# KiCad board VLT.kicad_pcb (continued)
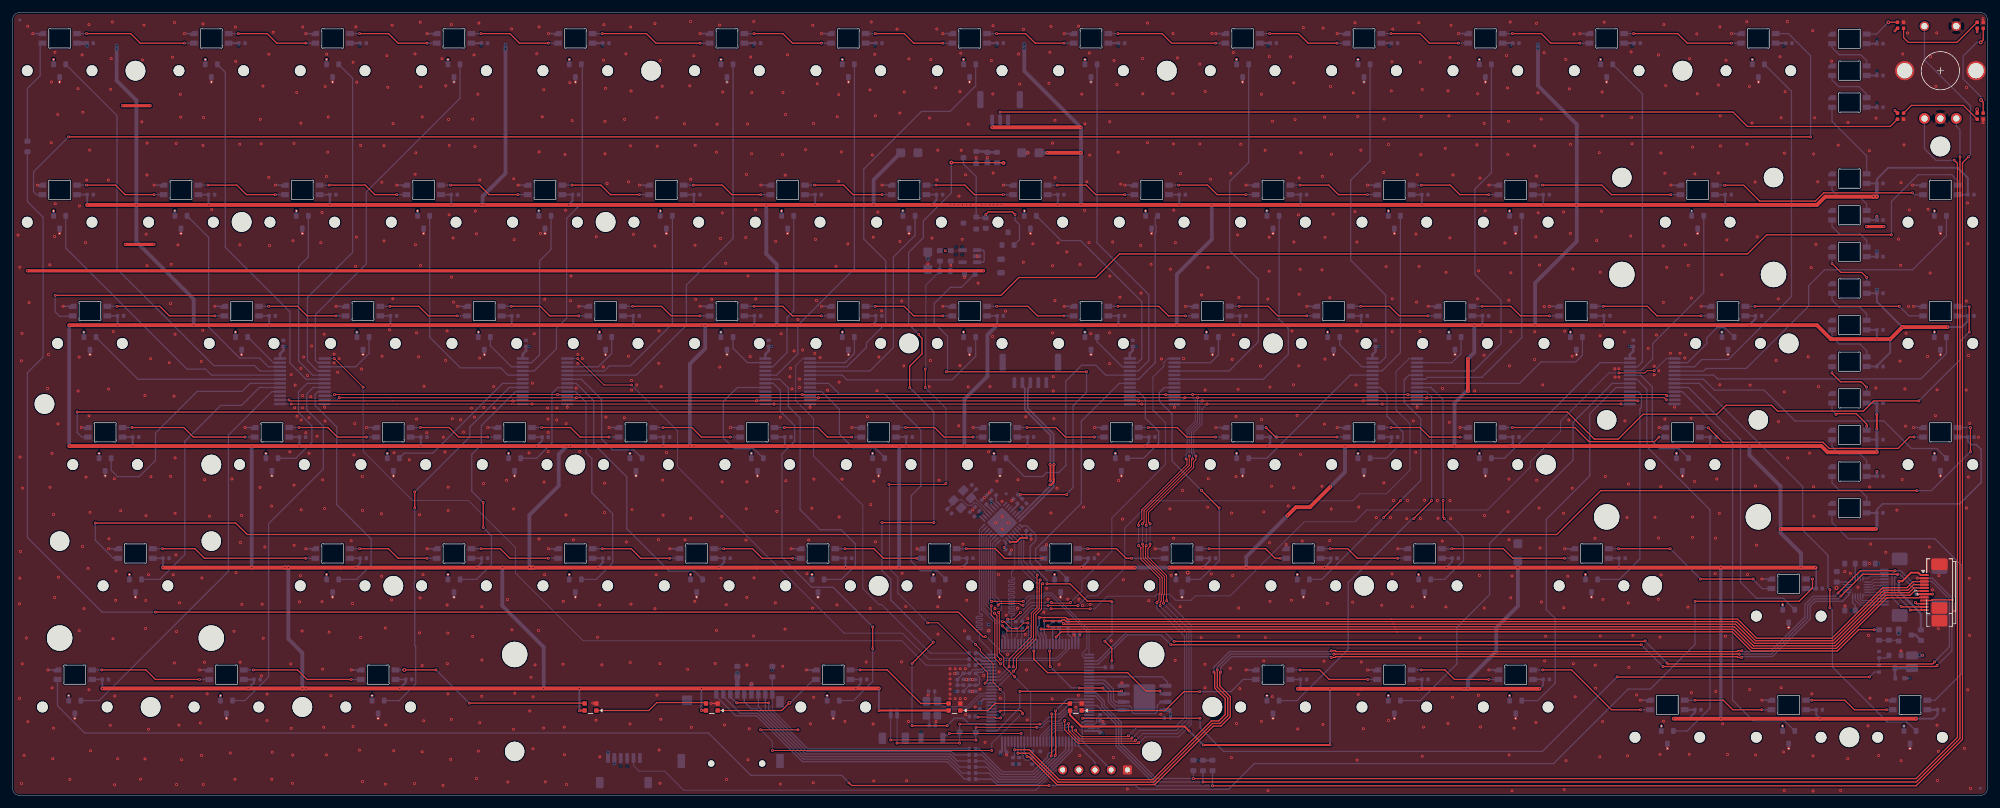
[diagram p0: board, top side]
## Routing (per net, layer and track width the routed paths; a pad name or vN(x,y) marks a point on that pad's centre or on a via; arc(x,y) is an arc through that point) (continued)
/ULPI_D0: length 28.2
  Bottom w0.15: U5.24 151.76,41.75 151.76,28.62 arc(151.8,28.52) 151.9,28.48 152.12,28.48 arc(152.22,28.44) 152.26,28.34 152.26,28.27 arc(152.22,28.17) 152.12,28.13 151.4,28.13 arc(151.3,28.09) 151.26,27.99 151.26,27.92 arc(151.3,27.82) 151.4,27.78 152.12,27.78 arc(152.22,27.74) 152.26,27.64 152.26,27.57 arc(152.22,27.47) 152.12,27.43 151.4,27.43 arc(151.3,27.39) 151.26,27.29 151.26,27.22 arc(151.3,27.12) 151.4,27.08 152.12,27.08 arc(152.22,27.04) 152.26,26.94 152.26,26.87 arc(152.22,26.77) 152.12,26.73 151.4,26.73 arc(151.3,26.69) 151.26,26.59 151.26,26.52 arc(151.3,26.42) 151.4,26.38 152.12,26.38 arc(152.22,26.34) 152.26,26.24 152.26,26.17 arc(152.22,26.07) 152.12,26.03 151.4,26.03 arc(151.3,25.99) 151.26,25.89 151.26,25.82 arc(151.3,25.72) 151.4,25.68 151.62,25.68 arc(151.72,25.64) 151.76,25.54 151.76,24.49 153.64,22.61 U3.25
/ULPI_D1: length 24.7
  Top w0.15: v1(155.39,26.64) 156.21,25.81 158.74,25.81 v1(159.36,26.44)
  Bottom w0.15: U5.23 152.11,41.39 152.11,29.24 154.29,27.06 154.91,27.06 155.18,26.79 155.24,26.79 v1(155.39,26.64) ; U3.34 159.39,23.86 159.39,24.66 159.51,24.78 159.51,26.29 v1(159.36,26.44)
/ULPI_D2: length 24.6
  Top w0.15: v1(155.39,27.29) 155.7,27.29 156.78,26.21 157.81,26.21 158.69,27.09 v1(159.36,27.09)
  Bottom w0.15: U3.35 159.86,23.84 159.86,26.65 159.42,27.09 v1(159.36,27.09) ; v1(155.39,27.29) 155.27,27.41 154.44,27.41 152.46,29.38 152.46,41.04 U5.22
/ULPI_D3: length 32.9
  Top w0.15: v1(155.08,21.35) 154.54,21.89 154.54,28.23 v1(154.13,28.64)
  Bottom w0.15: U5.21 152.82,40.68 152.82,29.88 154.06,28.64 v1(154.13,28.64) ; v1(155.08,21.35) 155.27,21.54 163.86,21.54 165.31,22.99 U3.46
/ULPI_D4: length 33.9
  Top w0.15: v1(153.63,29.78) 153.61,29.76 153.61,28.31 154.19,27.74 154.19,21.54 155.08,20.65 v1(155.09,20.65)
  Bottom w0.15: v1(155.09,20.65) 155.63,21.19 164.01,21.19 165.81,22.99 U3.47 ; U5.20 153.17,40.33 153.17,30.24 v1(153.63,29.78)
/ULPI_D5: length 32.5
  Top w0.15: v1(153.67,30.48) 153.68,30.49 v1(158.66,30.49)
  Bottom w0.15: 168.99,22.11 168.99,25.96 163.16,31.79 161.96,31.79 161.51,31.34 159.51,31.34 v1(158.66,30.49) ; U5.19 153.52,39.97 153.52,30.63 v1(153.67,30.48)
/ULPI_D6: length 33.5
  Top w0.15: v1(158.62,29.84) 158.35,29.84 158.05,30.14 154.96,30.14 v1(154.71,29.89)
  Bottom w0.15: v1(158.62,29.84) 158.74,29.96 158.85,29.96 159.87,30.99 161.66,30.99 162.11,31.44 163.01,31.44 168.64,25.81 168.64,23.06 167.91,22.33 167.91,21.89 168.19,21.61 168.99,21.61 ; v1(154.71,29.89) 154.71,30.14 153.87,30.98 153.87,39.61 U5.18
/ULPI_D7: length 34.4
  Top w0.15: v1(157.31,18.61) 155.59,20.34 155.59,21.69 154.89,22.39 154.89,28.63 v1(154.77,28.75)
  Bottom w0.15: U3.91 159.81,16.11 v1(157.31,18.61) ; U5.17 154.22,39.26 154.22,31.38 155.21,30.39 155.21,29.19 v1(154.77,28.75)
/ULPI_DIR: length 29.1
  Top w0.15: v1(157.09,20.19) 157.09,21.5 160.25,24.66 160.25,28.48 161.16,29.39 161.16,32.11 161.16,32.11 161.16,32.53 161.16,32.53 161.16,33.49 161.26,33.59 161.26,33.8 v1(161.31,33.85)
  Bottom w0.15: v1(161.31,33.85) 160.9,33.85 158.32,36.43 158.32,40.2 U5.12 ; v1(157.09,20.19) 157.09,20.17 155.04,18.11 U3.17
/ULPI_NXT: length 28.2
  Top w0.15: v1(156.43,20.21) 156.43,21.42 159.9,24.9 159.9,28.62 160.81,29.53 160.81,31.96 160.81,32.67 160.81,32.67 160.81,33.48 160.81,33.48 160.81,34.59 v1(160.84,34.62) 160.84,34.65 160.81,34.69
  Bottom w0.15: v1(156.43,20.21) 156.43,20.17 154.86,18.61 U3.18 ; v1(160.84,34.62) 160.84,34.66 158.71,36.79 158.71,40.51 U5.11
/ULPI_RST: length 34.7
  Top w0.2: v1(172.59,30.39) 172.45,30.52 168.7,30.52 165.99,33.23 v1(162.36,33.23) ; v1(171.46,24.21) 172.56,23.11 v1(172.56,21.14)
  Bottom w0.2: R3.1 172.56,20.12 v1(172.56,21.14) ; v1(172.59,30.39) 172.59,25.34 v1(171.46,24.21) ; U5.9 159.21,42.35 160.64,40.93 160.64,40.04 159.74,39.14 159.74,36.46 162.36,33.84 v1(162.36,33.23)
/ULPI_STP: length 30.4
  Top w0.15: v1(161.71,33.26) 161.51,33.06 161.51,29.24 160.64,28.37 160.64,24.52 157.59,21.48 157.59,19.96 v1(157.13,19.5)
  Bottom w0.15: U3.15 154.74,17.11 157.13,19.5 v1(157.13,19.5) ; U5.13 157.97,39.84 157.97,35.99 160.7,33.26 v1(161.71,33.26)
/WS2812_DIN: length 226.5
  Top w0.2: v1(152.71,24.94) 152.31,24.94 148.46,28.79 v1(22.4,28.79)
  Bottom w0.15: U3.31 157.81,22.99 157.49,22.66 155.14,22.66 153.58,24.23 153.57,24.23 152.86,24.94 v1(152.71,24.94)
  Bottom w0.2: v1(22.4,28.79) 14.03,28.79 2.3,40.52 2.3,66.41 4.76,68.87 4.76,90.86 2.3,93.32 R15.1
/WS2812_DOUT: length 143.6
  Top w0.2: RING4.1 294.77,105.13 272.34,105.13 270.08,107.39 v1(155.01,107.39)
  Bottom w0.2: v1(155.01,107.39) J4.2
/XI: length 5.8
  Bottom w0.15: U5.28 153.39,44.38 150.96,46.81 150.39,46.81
  Bottom w0.2: C4.2 150.44,47.29 Y1.3
/XO: length 8.5
  Bottom w0.15: 147.73,46.36 147.81,46.44 148.99,46.44 149.84,45.59 150.57,45.59 150.94,45.95 151.27,45.95 152.6,44.63 152.6,44.5 U5.27
  Bottom w0.2: Y1.1 147.68,45.94 C5.2
AMBIENT: length 48.7
  Bottom w0.2: AMB1.3 285.62,42.88 288.19,40.31 301.79,40.31 305.89,36.21 305.89,19.04 301.79,14.94 LED81.2
ENC_A: length 246.9
  Top w0.2: v1(186.86,2.09) 298.86,2.09 305.71,8.94 v1(305.71,100.37)
  Bottom w0.2: 168.99,15.61 169.97,15.61 170.96,14.62 170.96,13.96 173.64,11.29 173.64,7.95 179.5,2.09 v1(186.86,2.09) 186.86,3.76 ; v1(305.71,100.37) 305.71,104.59 305.14,105.16 ENC1.B
ENC_B: length 249.3
  Top w0.2: v1(304.8,99.82) 305.31,99.31 305.31,9.1 298.83,2.63 v1(185.36,2.63)
  Bottom w0.2: U3.63 170.04,16.11 171.36,14.79 171.36,14.13 174.04,11.45 174.04,8.11 179.51,2.64 185.35,2.64 v1(185.36,2.63) 185.36,3.81 ; v1(304.8,99.82) 304.76,99.79 301.96,99.79 300.14,101.61 ENC1.A
ENC_SW: length 265.3
  Top w0.2: v1(188.36,1.49) 298.83,1.49 306.11,8.77 306.11,99.41 v1(307.06,100.36)
  Bottom w0.2: v1(307.06,100.36) 307.36,100.66 307.36,108.36 300.14,115.59 ENC1.S2 ; 168.99,14.11 170.25,14.11 173.24,11.12 173.24,7.78 179.53,1.49 v1(188.36,1.49) R28.2
RING: length 5.6
  Top w0.2: v2(294.46,121.49) 294.48,121.51 RING1.3
  Bottom w0.2: v2(294.46,121.49) 292.61,119.64 GLO3.2
STATUS: length 12.7
  Bottom w0.2: GLO1.3 285.62,105.93 291.08,100.47 AMB10.2
VREF+: length 7.6
  Bottom w0.2: FB2.2 149.26,16.34 150.21,17.29 C34.2 C35.2 151.55,17.3 151.77,17.52 151.77,18.56 151.18,19.15 151.16,19.15 151.35,19.34 152.28,19.34 152.55,19.61 U3.20
Net-(AMB1-DOUT): length 8.4
  Bottom w0.2: 291.07,45.88 291.07,46.89 290.01,47.95 286.76,47.95 285.63,49.09 285.63,50.14
Net-(AMB2-DOUT): length 8.4
  Bottom w0.2: 291.07,51.59 291.07,52.6 290.01,53.66 286.76,53.66 285.63,54.8 285.63,55.84
Net-(AMB3-DOUT): length 8.6
  Top w0.2: v1(286.24,59.86) 286.3,59.86 286.42,59.99 289.42,59.99 291.07,58.33 v1(291.07,57.99)
  Bottom w0.2: 285.63,61.58 285.63,60.53 286.24,59.92 v1(286.24,59.86) ; v1(291.07,57.99) 291.07,57.33
Net-(AMB4-DOUT): length 8.4
  Top w0.2: v1(291.04,64.16) 290.21,64.99 286.96,64.99 285.63,66.32 v1(285.63,66.39)
  Bottom w0.2: v1(291.04,64.16) 291.07,64.13 291.07,63.12 ; 285.63,67.37 v1(285.63,66.39)
Net-(AMB5-DOUT): length 8.4
  Bottom w0.2: 291.07,68.85 291.07,69.86 290.01,70.93 286.76,70.93 285.63,72.06 285.63,73.11
Net-(AMB6-DOUT): length 8.4
  Bottom w0.2: 285.63,78.9 285.63,77.85 286.76,76.71 290.01,76.71 291.07,75.65 291.07,74.64
Net-(AMB7-DOUT): length 8.4
  Top w0.2: v1(285.64,83.57) 287.03,82.19 290.28,82.19 v1(291.07,81.39)
  Bottom w0.2: v1(285.64,83.57) 285.63,83.59 285.63,84.63 ; v1(291.07,81.39) 291.07,80.38
Net-(AMB8-DOUT): length 8.4
  Bottom w0.2: 291.07,86.18 291.07,87.19 290.01,88.25 286.76,88.25 285.63,89.39 285.63,90.43
Net-(AMB10-DIN): length 8.4
  Bottom w0.2: AMB10.3 285.63,95.12 286.76,93.99 290.01,93.99 291.07,92.93 AMB9.2
Net-(C25-Pad1): length 2.8
  Bottom w0.2: U3.48 166.31,24.66 165.66,25.31 C25.1
Net-(C26-Pad1): length 2.7
  Bottom w0.15: C26.1 170.15,12.08 170.15,11.48 169.79,11.11 168.99,11.11
Net-(GLO1-DOUT): length 7.6
  Bottom w0.2: GLO1.2 291.07,110.18 289.86,111.39 286.66,111.39 285.62,112.43 GLO2.3
Net-(GLO2-DOUT): length 7.7
  Bottom w0.2: GLO3.3 285.62,117.53 286.76,116.39 290.16,116.39 291.07,115.48 GLO2.2
Net-(LED1-DOUT): length 19
  Top w0.2: v1(26.95,118.22) 20.02,118.22 18.52,119.72 v1(11.59,119.72)
  Bottom w0.2: LED1.2 v1(11.59,119.72) ; v1(26.95,118.22) LED2.3
Net-(LED2-DOUT): length 14.2
  Top w0.2: v1(35.4,119.72) 39.95,119.72 41.45,118.22 v1(46,118.22)
  Bottom w0.2: v1(46,118.22) LED3.3 ; LED2.2 v1(35.4,119.72)
Net-(LED3-DOUT): length 14.2
  Top w0.2: v1(54.45,119.72) 59,119.72 60.5,118.22 v1(65.05,118.22)
  Bottom w0.2: v1(65.05,118.22) LED4.3 ; LED3.2 v1(54.45,119.72)
Net-(LED4-DOUT): length 14.2
  Top w0.2: v1(73.5,119.72) 78.05,119.72 79.55,118.22 v1(84.1,118.22)
  Bottom w0.2: LED4.2 v1(73.5,119.72) ; v1(84.1,118.22) LED5.3
Net-(LED5-DOUT): length 19
  Top w0.2: v1(92.55,119.72) 99.48,119.72 100.98,118.22 v1(107.91,118.22)
  Bottom w0.2: LED5.2 v1(92.55,119.72) ; v1(107.91,118.22) LED6.3
Net-(LED6-DOUT): length 14.2
  Top w0.2: v1(116.36,119.72) 120.91,119.72 122.41,118.22 v1(126.96,118.22)
  Bottom w0.2: LED6.2 v1(116.36,119.72) ; v1(126.96,118.22) LED7.3
Net-(LED7-DOUT): length 14.2
  Top w0.2: v1(135.41,119.72) 139.96,119.72 141.46,118.22 v1(146.01,118.22)
  Bottom w0.2: LED7.2 v1(135.41,119.72) ; v1(146.01,118.22) LED8.3
Net-(LED8-DOUT): length 14.2
  Top w0.2: v1(165.06,118.22) 160.51,118.22 159.01,119.72 v1(154.46,119.72)
  Bottom w0.2: v1(165.06,118.22) LED9.3 ; LED8.2 v1(154.46,119.72)
Net-(LED10-DIN): length 19
  Top w0.2: v1(173.51,119.72) 180.44,119.72 181.94,118.22 v1(188.88,118.22)
  Bottom w0.2: v1(188.88,118.22) LED10.3 ; LED9.2 v1(173.51,119.72)
Net-(LED10-DOUT): length 14.2
  Top w0.2: v1(197.33,119.72) 201.88,119.72 203.38,118.22 v1(207.93,118.22)
  Bottom w0.2: LED10.2 v1(197.33,119.72) ; v1(207.93,118.22) LED11.3
Net-(LED11-DOUT): length 14.2
  Top w0.2: v1(216.38,119.72) 220.93,119.72 222.43,118.22 v1(226.98,118.22)
  Bottom w0.2: v1(226.98,118.22) LED12.3 ; LED11.2 v1(216.38,119.72)
Net-(LED12-DOUT): length 14.2
  Top w0.2: v1(235.43,119.72) 239.98,119.72 241.48,118.22 v1(246.03,118.22)
  Bottom w0.2: v1(246.03,118.22) LED13.3 ; LED12.2 v1(235.43,119.72)
Net-(LED13-DOUT): length 19
  Top w0.2: v1(269.84,118.22) 262.91,118.22 261.41,119.72 v1(254.48,119.72)
  Bottom w0.2: LED13.2 v1(254.48,119.72) ; v1(269.84,118.22) LED14.3
Net-(LED14-DOUT): length 305.6
  Top w0.2: v1(8.76,103.49) v1(282.26,103.49)
  Bottom w0.2: 4.62,94.39 3.76,94.39 3.26,94.89 3.26,97.99 v1(8.76,103.49) ; v1(282.26,103.49) 282.26,116.23 278.78,119.72 276.79,119.72
Net-(LED15-DOUT): length 14.2
  Top w0.2: v1(22.19,94.4) 17.64,94.4 16.14,95.9 v1(11.59,95.9)
  Bottom w0.2: v1(22.19,94.4) LED16.3 ; LED15.2 v1(11.59,95.9)
Net-(LED16-DOUT): length 14.2
  Top w0.2: v1(30.64,95.9) 35.19,95.9 36.69,94.4 v1(41.24,94.4)
  Bottom w0.2: LED16.2 v1(30.64,95.9) ; v1(41.24,94.4) LED17.3
Net-(LED17-DOUT): length 14.2
  Top w0.2: v1(60.29,94.4) 56.85,94.4 55.35,95.9 v1(49.69,95.9)
  Bottom w0.2: v1(60.29,94.4) LED18.3 ; LED17.2 v1(49.69,95.9)
Net-(LED18-DOUT): length 14.2
  Top w0.2: v1(68.74,95.9) 73.29,95.9 74.79,94.4 v1(79.34,94.4)
  Bottom w0.2: v1(79.34,94.4) LED19.3 ; LED18.2 v1(68.74,95.9)
Net-(LED19-DOUT): length 14.2
  Top w0.2: v1(87.79,95.9) 92.34,95.9 93.84,94.4 v1(98.39,94.4)
  Bottom w0.2: LED19.2 v1(87.79,95.9) ; v1(98.39,94.4) LED20.3
Net-(LED20-DOUT): length 14.2
  Top w0.2: v1(106.84,95.9) 111.39,95.9 112.89,94.4 v1(117.44,94.4)
  Bottom w0.2: LED20.2 v1(106.84,95.9) ; v1(117.44,94.4) LED21.3
Net-(LED21-DOUT): length 14.2
  Top w0.2: v1(125.89,95.9) 130.44,95.9 131.94,94.4 v1(136.49,94.4)
  Bottom w0.2: LED21.2 v1(125.89,95.9) ; v1(136.49,94.4) LED22.3
Net-(LED22-DOUT): length 14.2
  Top w0.2: v1(155.54,94.4) 150.99,94.4 149.49,95.9 v1(144.94,95.9)
  Bottom w0.2: v1(155.54,94.4) LED23.3 ; 143.44,95.9 v1(144.94,95.9)
Net-(LED23-DOUT): length 14.2
  Top w0.2: v1(174.59,94.4) 170.04,94.4 168.54,95.9 v1(163.99,95.9)
  Bottom w0.2: LED23.2 v1(163.99,95.9) ; v1(174.59,94.4) 176.09,94.4
Net-(LED24-DOUT): length 14.2
  Top w0.2: v1(183.04,95.9) 187.59,95.9 189.09,94.4 v1(193.64,94.4)
  Bottom w0.2: v1(193.64,94.4) LED25.3 ; LED24.2 v1(183.04,95.9)
Net-(LED25-DOUT): length 14.2
  Top w0.2: v1(202.09,95.9) 206.64,95.9 208.14,94.4 v1(212.69,94.4)
  Bottom w0.2: LED25.2 v1(202.09,95.9) ; v1(212.69,94.4) LED26.3
Net-(LED26-DOUT): length 14.2
  Top w0.2: v1(231.74,94.4) 227.19,94.4 225.69,95.9 v1(221.14,95.9)
  Bottom w0.2: LED26.2 v1(221.14,95.9) ; v1(231.74,94.4) 233.24,94.4
Net-(LED27-DOUT): length 23.7
  Top w0.2: v1(260.31,94.4) 251,94.4 249.5,95.9 v1(240.19,95.9)
  Bottom w0.2: v1(260.31,94.4) LED28.3 ; LED27.2 v1(240.19,95.9)
Net-(LED28-DOUT): length 34.3
  Top w0.2: v1(298.26,94.69) 284.31,94.69 283.01,93.39 274.26,93.39 271.76,95.89 v1(268.76,95.89)
  Bottom w0.2: 299.9,94.39 298.56,94.39 v1(298.26,94.69) ; LED28.2 268.75,95.9 v1(268.76,95.89)
Net-(LED29-DOUT): length 316.3
  Top w0.2: v1(6.66,78.59) 155.16,78.59 157.96,81.39 170.06,81.39 173.76,85.09 272.36,85.09 275.36,88.09 v1(294.96,88.09)
  Bottom w0.2: 9.33,75.29 7.36,75.29 6.66,75.99 v1(6.66,78.59) ; v1(294.96,88.09) 294.96,93.35 299.15,97.54 304.41,97.54 305.36,96.59 LED29.2
Net-(LED30-DOUT): length 19
  Top w0.2: v1(31.71,75.35) 24.6,75.35 23.1,76.85 v1(16.35,76.85)
  Bottom w0.2: v1(31.71,75.35) LED31.3 ; LED30.2 v1(16.35,76.85)
Net-(LED31-DOUT): length 14.2
  Top w0.2: v1(40.16,76.85) 44.71,76.85 46.21,75.35 v1(50.76,75.35)
  Bottom w0.2: v1(50.76,75.35) LED32.3 ; LED31.2 v1(40.16,76.85)
Net-(LED32-DOUT): length 14.2
  Top w0.2: v1(59.21,76.85) 63.76,76.85 65.26,75.35 v1(69.81,75.35)
  Bottom w0.2: v1(69.81,75.35) LED33.3 ; LED32.2 v1(59.21,76.85)
Net-(LED33-DOUT): length 14.2
  Top w0.2: v1(78.26,76.85) 82.81,76.85 84.31,75.35 v1(88.86,75.35)
  Bottom w0.2: LED33.2 v1(78.26,76.85) ; v1(88.86,75.35) LED34.3
Net-(LED34-DOUT): length 14.2
  Top w0.2: v1(97.31,76.85) 101.86,76.85 103.36,75.35 v1(107.91,75.35)
  Bottom w0.2: v1(107.91,75.35) LED35.3 ; LED34.2 v1(97.31,76.85)
Net-(LED35-DOUT): length 14.2
  Top w0.2: v1(126.96,75.35) 122.41,75.35 120.91,76.85 v1(116.36,76.85)
  Bottom w0.2: v1(126.96,75.35) LED36.3 ; LED35.2 v1(116.36,76.85)
Net-(LED36-DOUT): length 14.2
  Top w0.2: v1(135.41,76.85) 139.96,76.85 141.46,75.35 v1(146.01,75.35)
  Bottom w0.2: v1(146.01,75.35) LED37.3 ; LED36.2 v1(135.41,76.85)
Net-(LED37-DOUT): length 14.2
  Top w0.2: v1(154.46,76.85) 159.4,76.85 160.9,75.35 v1(165.06,75.35)
  Bottom w0.2: LED37.2 v1(154.46,76.85) ; v1(165.06,75.35) LED38.3
Net-(LED38-DOUT): length 14.2
  Top w0.2: v1(184.11,75.35) 181.45,75.35 179.95,76.85 v1(173.51,76.85)
  Bottom w0.2: LED38.2 v1(173.51,76.85) ; v1(184.11,75.35) LED39.3
Net-(LED39-DOUT): length 14.2
  Top w0.2: v1(203.16,75.35) 198.61,75.35 197.11,76.85 v1(192.56,76.85)
  Bottom w0.2: v1(203.16,75.35) LED40.3 ; LED39.2 v1(192.56,76.85)
Net-(LED40-DOUT): length 14.2
  Top w0.2: v1(222.21,75.35) 217.66,75.35 216.16,76.85 v1(211.61,76.85)
  Bottom w0.2: LED40.2 v1(211.61,76.85) ; v1(222.21,75.35) LED41.3
Net-(LED41-DOUT): length 14.2
  Top w0.2: v1(241.26,75.35) 236.71,75.35 235.21,76.85 v1(230.66,76.85)
  Bottom w0.2: LED41.2 v1(230.66,76.85) ; v1(241.26,75.35) LED42.3
Net-(LED42-DOUT): length 19
  Top w0.2: v1(249.71,76.85) 256.64,76.85 258.14,75.35 v1(265.08,75.35)
  Bottom w0.2: LED42.2 v1(249.71,76.85) ; v1(265.08,75.35) LED43.3
Net-(LED43-DOUT): length 28.5
  Top w0.2: v1(296.2,76.85) v1(273.53,76.85)
  Bottom w0.2: v1(296.2,76.85) 297.7,75.35 LED44.3 ; LED43.2 v1(273.53,76.85)
Net-(LED44-DOUT): length 319.2
  Top w0.2: v1(299.26,61.99) 292.16,61.99 290.56,60.39 277.06,60.39 276.15,61.3 268.97,61.3 267.56,59.89 255.96,59.89 252.06,55.99 248.31,55.99 244.06,60.24 v1(10.11,60.24) ; v1(307.16,76.79) v1(307.16,72.79)
  Bottom w0.2: v1(307.16,76.79) 307.1,76.85 LED44.2 ; LED45.3 10.85,56.3 10.11,57.04 v1(10.11,60.24) ; v1(299.26,61.99) 305.76,68.49 305.76,71.39 v1(307.16,72.79)
Net-(LED45-DOUT): length 21.4
  Top w0.2: v1(36.48,56.3) 28.35,56.3 26.85,57.8 v1(18.73,57.8)
  Bottom w0.2: v1(36.48,56.3) LED46.3 ; LED45.2 v1(18.73,57.8)
Net-(LED46-DOUT): length 14.2
  Top w0.2: v1(44.93,57.8) 49.48,57.8 50.98,56.3 v1(55.53,56.3)
  Bottom w0.2: v1(55.53,56.3) LED47.3 ; LED46.2 v1(44.93,57.8)
Net-(LED47-DOUT): length 14.2
  Top w0.2: v1(63.98,57.8) 68.53,57.8 70.03,56.3 v1(74.58,56.3)
  Bottom w0.2: v1(74.58,56.3) LED48.3 ; LED47.2 v1(63.98,57.8)
Net-(LED48-DOUT): length 14.2
  Top w0.2: v1(93.63,56.3) 89.08,56.3 87.58,57.8 v1(83.03,57.8)
  Bottom w0.2: LED48.2 v1(83.03,57.8) ; v1(93.63,56.3) LED49.3
Net-(LED49-DOUT): length 14.2
  Top w0.2: v1(112.68,56.3) 108.13,56.3 106.63,57.8 v1(102.08,57.8)
  Bottom w0.2: v1(112.68,56.3) LED50.3 ; LED49.2 v1(102.08,57.8)
Net-(LED50-DOUT): length 14.2
  Top w0.2: v1(121.13,57.8) 126.4,57.8 127.9,56.3 v1(131.73,56.3)
  Bottom w0.2: LED50.2 v1(121.13,57.8) ; v1(131.73,56.3) LED51.3
Net-(LED51-DOUT): length 14.2
  Top w0.2: v1(150.78,56.3) 146.23,56.3 144.73,57.8 v1(140.18,57.8)
  Bottom w0.2: LED51.2 v1(140.18,57.8) ; v1(150.78,56.3) LED52.3
Net-(LED52-DOUT): length 14.2
  Top w0.2: v1(169.83,56.3) 165.28,56.3 163.78,57.8 v1(159.23,57.8)
  Bottom w0.2: v1(169.83,56.3) LED53.3 ; LED52.2 v1(159.23,57.8)
Net-(LED53-DOUT): length 14.2
  Top w0.2: v1(188.86,56.3) 184.33,56.3 182.83,57.8 v1(178.26,57.8)
  Bottom w0.2: v1(188.86,56.3) LED54.3 ; LED53.2 v1(178.26,57.8)
Net-(LED54-DOUT): length 14.2
  Top w0.2: v1(207.93,56.3) 198.26,56.3 v1(196.76,57.8)
  Bottom w0.2: v1(196.76,57.8) LED54.2 ; v1(207.93,56.3) LED55.3
Net-(LED55-DOUT): length 14.2
  Top w0.2: v1(216.38,57.8) 220.93,57.8 222.43,56.3 v1(227.26,56.3)
  Bottom w0.2: v1(227.26,56.3) LED56.3 ; LED55.2 v1(216.38,57.8)
Net-(LED56-DOUT): length 26.7
  Top w0.2: v1(258.46,56.3) 257.75,55.59 247.46,55.59 245.25,57.8 v1(235.43,57.8)
  Bottom w0.2: LED56.2 v1(235.43,57.8) ; v1(258.46,56.3) LED57.3
Net-(LED57-DOUT): length 37.1
  Top w0.2: v1(298.52,56.31) 297.79,56.31 296,54.52 287.21,54.52 287.21,54.52 285.18,54.52 284.21,55.49 268.48,55.49 v1(266.2,57.77)
  Bottom w0.2: LED57.2 266.17,57.8 v1(266.2,57.77) ; v1(298.52,56.31) 299.91,56.31
Net-(LED58-DOUT): length 313.8
  Top w0.2: v1(12.96,42.79) 35.01,42.79 36.81,40.99 242.41,40.99 249.31,47.89 v1(298.96,47.89) ; v1(307.36,53.99) 307.36,57.79 v1(307.36,57.79)
  Bottom w0.2: LED59.3 15.8,37.25 12.96,40.09 v1(12.96,42.79) ; v1(307.36,57.79) 307.26,57.79 307.25,57.8 LED58.2 ; v1(298.96,47.89) 301.23,47.89 307.33,53.99 v1(307.36,53.99)
Net-(LED59-DOUT): length 26.1
  Top w0.2: v1(46,37.25) 30.1,37.25 28.6,38.75 v1(23.49,38.75)
  Bottom w0.2: v1(46,37.25) LED60.3 ; LED59.2 v1(23.49,38.75)
Net-(LED60-DOUT): length 14.2
  Top w0.2: v1(65.05,37.25) 60.5,37.25 59,38.75 v1(54.45,38.75)
  Bottom w0.2: LED60.2 v1(54.45,38.75) ; v1(65.05,37.25) LED61.3
Net-(LED61-DOUT): length 14.2
  Top w0.2: v1(73.5,38.75) 76.55,38.75 78.05,37.25 v1(84.1,37.25)
  Bottom w0.2: LED61.2 v1(73.5,38.75) ; v1(84.1,37.25) LED62.3
Net-(LED62-DOUT): length 14.2
  Top w0.2: v1(103.15,37.25) 98.6,37.25 97.1,38.75 v1(92.55,38.75)
  Bottom w0.2: LED62.2 v1(92.55,38.75) ; v1(103.15,37.25) LED63.3
Net-(LED63-DOUT): length 14.2
  Top w0.2: v1(111.6,38.75) 116.15,38.75 117.65,37.25 v1(122.46,37.25)
  Bottom w0.2: LED63.2 v1(111.6,38.75) ; v1(122.46,37.25) LED64.3
Net-(LED64-DOUT): length 14.2
  Top w0.2: v1(130.65,38.75) 135.2,38.75 136.7,37.25 v1(141.96,37.25)
  Bottom w0.2: LED64.2 v1(130.65,38.75) ; v1(141.96,37.25) LED65.3
Net-(LED65-DOUT): length 14.2
  Top w0.2: v1(161.8,37.25) 155.75,37.25 154.25,38.75 v1(149.7,38.75)
  Bottom w0.2: LED65.2 v1(149.7,38.75)
Net-(LED66-DOUT): length 14.2
  Top w0.2: v1(168.76,38.75) 173.3,38.75 174.8,37.25 v1(175.66,37.25)
  Bottom w0.2: LED66.2 v1(168.76,38.75) ; v1(175.66,37.25) LED67.3
Net-(LED67-DOUT): length 14.2
  Top w0.2: v1(187.8,38.75) 196.7,38.75 198.2,37.25 v1(199.01,37.25)
  Bottom w0.2: LED67.2 v1(187.8,38.75) ; v1(199.01,37.25) LED68.3
Net-(LED68-DOUT): length 14.2
  Top w0.2: v1(206.85,38.75) 209.6,38.75 211.1,37.25 v1(217.45,37.25)
  Bottom w0.2: v1(217.45,37.25) LED69.3 ; LED68.2 v1(206.85,38.75)
Net-(LED69-DOUT): length 21.4
  Top w0.2: v1(225.9,38.75) 234.02,38.75 235.52,37.25 v1(243.64,37.25)
  Bottom w0.2: v1(243.64,37.25) LED70.3 ; LED69.2 v1(225.9,38.75)
Net-(LED70-DOUT): length 28.2
  Top w0.2: v1(273.26,33.99) v1(264.96,33.99) ; v1(252.09,38.75) v1(260.22,38.75)
  Bottom w0.2: v1(260.22,38.75) 264.96,34.01 v1(264.96,33.99) ; v1(273.26,33.99) 273.26,33.89 274.66,32.49 LED71.3 ; LED70.2 v1(252.09,38.75)
Net-(LED71-DOUT): length 304.6
  Top w0.2: v1(282.56,33.99) 282.56,32.59 280.46,30.49 v1(264.11,30.49) ; v1(162.71,1.54) 131.71,1.54 v1(131.29,1.96)
  Bottom w0.2: v1(131.29,1.96) 130.11,3.14 115.89,3.14 109.24,9.79 11.31,9.79 7.02,14.08 LED72.3 ; v1(282.56,33.99) 282.56,33.99 LED71.2 ; v1(264.11,30.49) 264.11,23.69 257.11,16.69 253.61,16.69 241.91,4.99 194.94,4.99 190.89,0.94 176.91,0.94 176.31,1.54 v1(162.71,1.54)
Net-(LED72-DOUT): length 19
  Top w0.2: v1(29.33,18.2) 22.4,18.2 20.9,19.7 v1(13.97,19.7)
  Bottom w0.2: LED72.2 v1(13.97,19.7) ; v1(29.33,18.2) LED73.3
Net-(LED73-DOUT): length 19
  Top w0.2: v1(53.14,18.2) 46.21,18.2 44.71,19.7 v1(37.78,19.7)
  Bottom w0.2: v1(53.14,18.2) LED74.3 ; LED73.2 v1(37.78,19.7)
Net-(LED74-DOUT): length 31.8
  Top w0.2: v1(66.45,19.7) v2(61.46,19.7) ; v1(71.66,14.49) 89.73,14.49
  Bottom w0.2: v2(61.46,19.7) LED74.2 ; v1(71.66,14.49) v1(66.45,19.7)
Net-(LED75-DIN): length 17.4
  Top w0.2: LED75L1.1 120.73,13.32 v2(121.94,14.54)
  Bottom w0.2: LED75.3 125.76,18.2 122.09,14.54 v2(121.94,14.54)
Net-(LED75-DOUT): length 17.6
  Top w0.2: v1(133.01,19.7) 137.3,19.7 142.58,14.42 LED75R1.3
  Bottom w0.2: v1(133.01,19.7) LED75.2
Net-(LED75L1-DIN): length 17.6
  Top w0.2: LED75L2.1 99.88,13.32 101.12,14.57 108.7,14.57
Net-(LED75R1-DOUT): length 17.7
  Top w0.2: LED75R1.1 153.1,13.32 154.2,14.42 LED75R2.3
Net-(LED75R2-DOUT): length 29.3
  Top w0.2: v1(186.36,16.29) 183.86,16.29 180.9,13.32 LED75R2.1
  Bottom w0.2: LED76.3 193.18,18.2 191.26,16.29 v1(186.36,16.29)
Net-(LED76-DOUT): length 14.2
  Top w0.2: v1(212.76,18.2) 206.7,18.2 205.2,19.7 v1(202.09,19.7)
  Bottom w0.2: v1(212.76,18.2) LED77.3 ; LED76.2 v1(202.09,19.7)
Net-(LED77-DOUT): length 14.2
  Top w0.2: v1(221.14,19.7) 224.85,19.7 226.35,18.2 v1(231.74,18.2)
  Bottom w0.2: v1(231.74,18.2) 233.24,18.2 ; LED77.2 v1(221.14,19.7)
Net-(LED78-DOUT): length 21
  Top w0.2: v1(240.19,19.7) 244.74,19.7 251,13.44 v1(255.55,13.44)
  Bottom w0.2: v1(255.55,13.44) LED79.3 ; LED78.2 v1(240.19,19.7)
Net-(LED79-DOUT): length 14.2
  Top w0.2: v1(264.09,14.94) 268.55,14.94 270.05,13.44 v1(274.6,13.44)
  Bottom w0.2: v1(274.6,13.44) LED80.3 ; LED79.2 v1(264.09,14.94)
Net-(LED80-DOUT): length 14.2
  Top w0.2: v1(282.44,14.94) 287.63,14.94 289.13,13.44 v1(294.19,13.44)
  Bottom w0.2: LED80.2 v1(282.44,14.94) ; v1(294.19,13.44) LED81.3
Net-(Q4-G): length 2.9
  Bottom w0.2: R25.1 R14.1 294.16,21.59 Q4.1
Net-(RING1-DOUT): length 14.6
  Top w0.2: RING2.3 305.24,118.34 297.61,118.34 296.86,119.09 RING1.1
Net-(RING2-DOUT): length 16.3
  Top w0.2: RING3.3 309.36,108.94 v2(309.01,109.29) ; v2(308.96,118.34) 309.36,118.74 RING2.1
  Bottom w0.2: v2(308.96,118.34) 308.36,118.34 306.21,116.19 306.21,112.59 309.01,109.79 v2(309.01,109.29)
Net-(RING3-DOUT): length 13
  Top w0.2: RING4.3 298.08,108.44 306.24,108.44 RING3.1
Net-(U3-PD8): length 2.6
  Bottom w0.2: R3.2 168.99,20.11
Net-(U4-REXT): length 2.3
  Bottom w0.2: R22.1 U4.7
Net-(U4-VREG): length 1.9
  Bottom w0.2: C16.1 288.29,33.51
Net-(U5-RBIAS): length 1.6
  Bottom w0.2: U5.32 154.37,46.26 R10.2
Net-(U5-VBUS): length 1.5
  Bottom w0.25: R1.2 157.75,45.62 U5.4

## Copper pours and planes (outline as drawn; the poured copper is in the pictures)
+3V3 on Bottom: 149.96,84.69 149.96,85.88 149.37,86.48 143.65,86.48 143.65,84.69
+3V3 on In1.Cu: 314.71,-1.41 314.31,-1.81 0.36,-1.81 -0.89,-0.56 -0.49,116.99 313.51,116.99
+5V on Bottom: 158.06,83.39 154.46,83.39 154.06,82.99 154.06,81.29 150.96,81.29 150.56,81.69 150.56,84.09 150.71,84.24 151.66,84.24 151.66,85.29 150.66,85.29 150.66,89.29 151.16,89.79 158.06,89.79
+5V_LED on Bottom: 156.66,93.09 146.96,93.09 145.96,92.09 145.96,88.39 150.46,88.39 150.46,89.39 150.86,89.79 154.66,89.79 154.66,88.49 155.36,87.79 157.96,87.79 157.96,89.59 157.46,90.09 157.46,92.29
+5V_LED on In1.Cu: 292.16,117.11 292.16,107.81 296.04,103.94 312.51,103.94 312.51,116.99 312.39,117.11
+5V_LED on In1.Cu: 312.51,122.99 312.51,116.54 -1.49,116.54 -1.49,122.99
GND on Top: -6.59,-11.91 302.61,-14.76 312.36,-5.01 316.36,134.79 -4.84,134.79
GND on Bottom, In2.Cu: -7.99,127.99 -7.99,-5.76 -6.24,-7.51 315.01,-7.51 319.76,-2.76 319.76,131.74 -4.24,131.74
